# KiCad board Logic_tabor.kicad_pcb (continued)
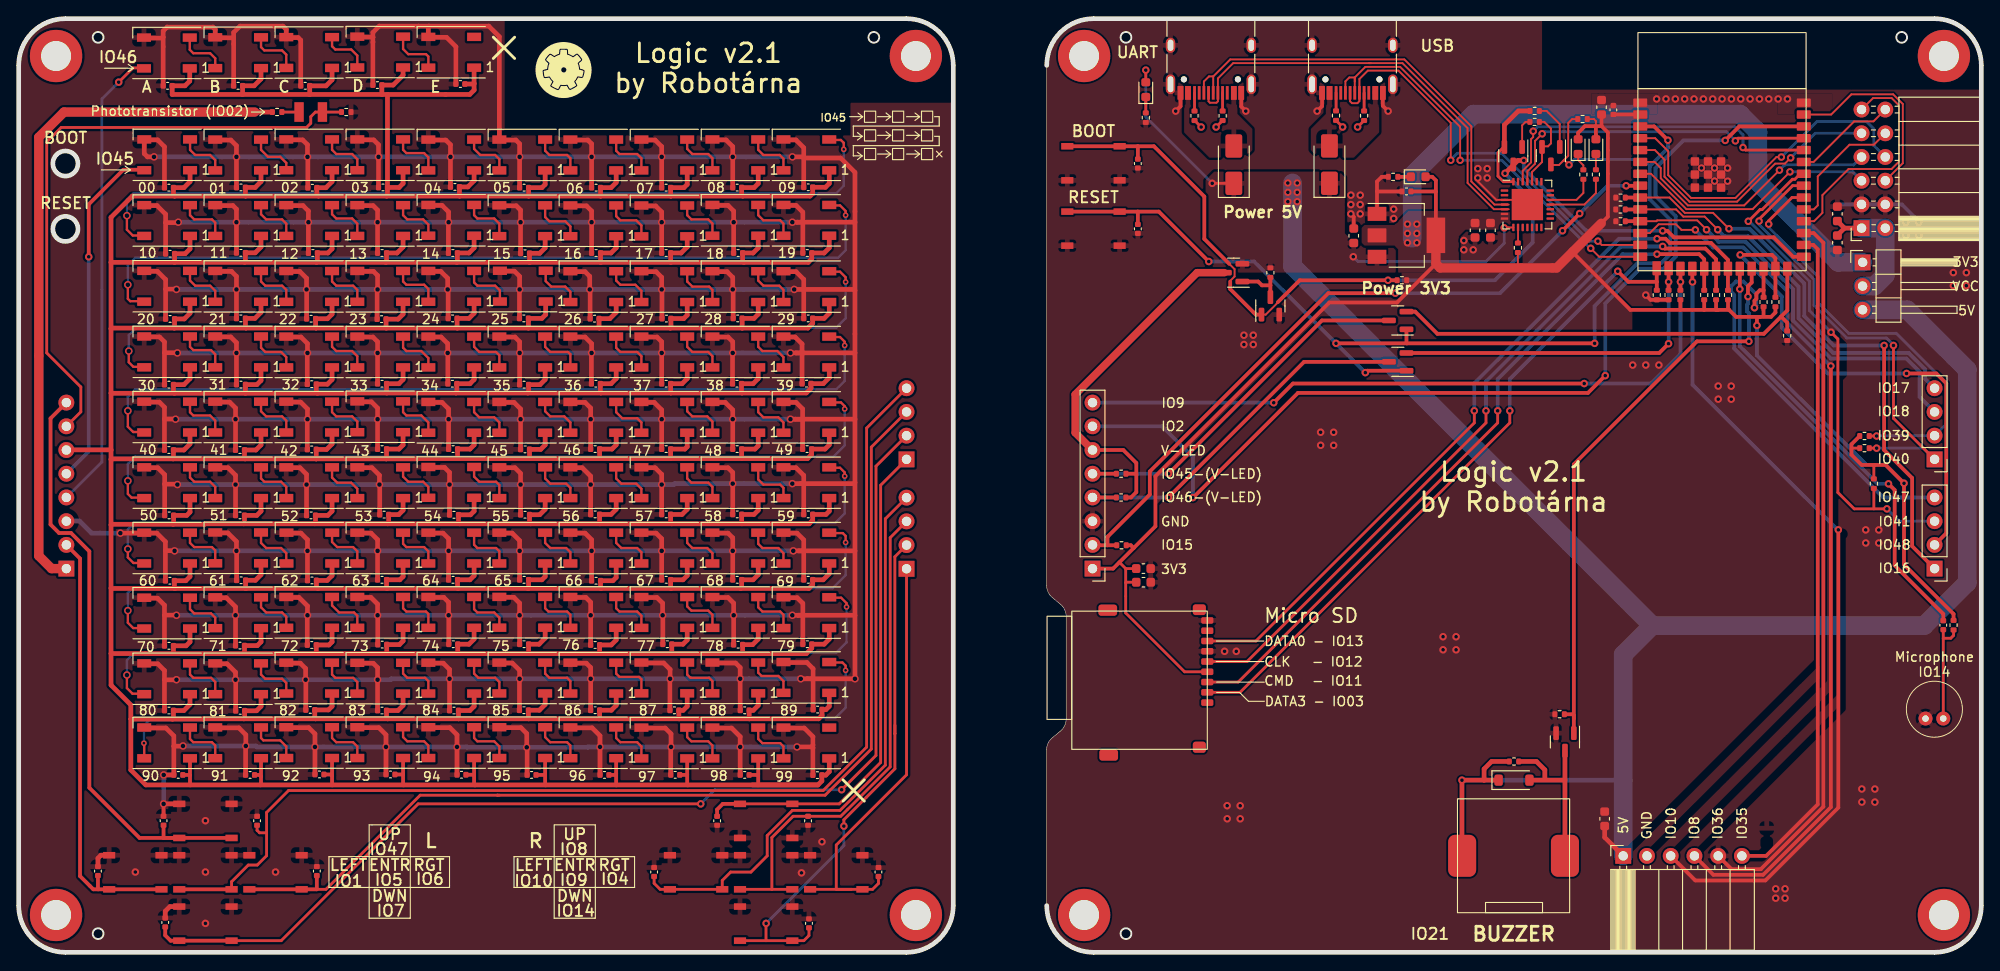
[diagram p0: board, top side]
## Routing (per net, layer and track width the routed paths; a pad name or vN(x,y) marks a point on that pad's centre or on a via; arc(x,y) is an arc through that point) (continued)
/elektronika.sch/DATA_HERNI_LED: length 41
  Top w0.4: v3(123.03,51.26) 139.44,67.67 146.56,67.67 ; R18.2 J7.5
  Bottom w0.4: v3(123.03,51.26) J7.5
/elektronika.sch/DATA_HERNI_LED_LS: length 49
  Top w0.4: R29.1 189.23,67.44 188.58,68.09 ; 188.58,68.09 189.24,68.75 U3.26 ; 188.58,68.09 186.73,66.25 151.81,66.25 149.43,68.62 148.56,68.62
/elektronika.sch/DATA_ZADANI_LED: length 40.2
  Top w0.4: v3(123.03,48.72) 123.03,48.74 137.54,63.25 146.56,63.25 ; J7.4 117.44,48.72 R11.2
  Bottom w0.4: J7.4 v3(123.03,48.72)
/elektronika.sch/DATA_ZADANI_LED_LS: length 37.4
  Top w0.4: U3.16 v3(176.54,71.81) 176.53,71.81 R27.1 ; v3(176.53,65.19) 175.54,64.19 148.56,64.19
  Bottom w0.4: v3(176.53,65.19) 176.54,65.19 v3(176.54,71.81)
/elektronika.sch/EN: length 122.9
  Top w0.2: R31.2 166.22,89.25 165.8,88.83 165.8,85.31 164.81,84.33 163.94,84.33 ; 165.38,84.89 165.38,84.84 v3(165.88,84.34)
  Top w0.4: 148.53,65.22 v3(168.62,65.22) ; 148.53,65.22 v3(140.96,65.22) ; 148.53,65.22 148.49,65.26 Q8.1 ; v3(144.09,62.09) 144.29,62.3 Q7.1 ; v3(176.47,86.98) 174.99,88.47 U3.3 ; 119.73,79.33 RESET1.1 RESET1.1 ; 119.73,79.33 122,79.33 v3(127.34,73.99) ; 119.73,79.33 119.75,79.31 C26.1
  Bottom w0.3: v3(165.88,84.34) 166.47,84.93 173.83,84.93 174.53,84.22
  Bottom w0.4: v3(144.09,62.09) v3(140.96,65.22) 132.19,73.99 v3(127.34,73.99) ; v3(168.62,65.22) 168.62,69.22 173.22,73.81 175.74,73.81 176.71,74.78 176.71,78.47 174.53,80.64 174.53,84.22 176.47,86.16 v3(176.47,86.98)
/elektronika.sch/ESP+programing/D+: length 46
  Top w0.2: v3(168.21,75.4) 169.12,74.5 U3.14 ; J8.B6 141.96,93.29 142.37,93.7 142.96,93.7 142.96,93.29 ; 142.96,93.29 142.96,93.7 144.09,94.84 147.81,94.84 154.23,88.42 v3(154.23,84.84) ; 142.96,93.29 J8.A6
  Bottom w0.3: v3(154.23,84.84) 158.7,84.84 168.13,75.4 v3(168.21,75.4)
/elektronika.sch/ESP+programing/D+_UART: length 46.5
  Top w0.2: 159.43,80.09 157.91,80.09 155.43,82.57 155.43,88.47 148.26,95.63 129.63,95.63 127.81,93.81 ; 127.81,93.81 127.36,93.81 126.81,93.27 J11.B6 ; 127.81,93.81 J11.A6
/elektronika.sch/ESP+programing/D-: length 45.6
  Top w0.2: v3(153.23,84.84) 153.23,88.84 147.63,94.44 144.35,94.44 143.46,93.54 J8.B7 ; 143.46,92.06 143.46,91.16 143.24,90.95 142.66,90.95 142.46,91.16 142.46,92.06 ; v3(168.98,76.17) 169.38,75.77 U3.13
  Bottom w0.3: v3(168.98,76.17) 168.07,76.17 158.66,85.59 153.92,85.59 153.23,84.89 v3(153.23,84.84)
/elektronika.sch/ESP+programing/D-_UART: length 46.4
  Top w0.2: 144.49,95.23 129.95,95.23 128.31,93.6 J11.B7 128.31,91.15 128.16,91 127.46,91 127.31,91.15 J11.A7 ; 144.49,95.23 148.06,95.23 155.03,88.27 155.03,82.4 157.84,79.59 159.43,79.59 ; 144.49,95.23 144.71,95.23
/elektronika.sch/ESP+programing/IO03-PD: length 72.3
  Top w0.3: J2.2 130.69,27.85 159.55,56.71 v3(159.55,58)
  Top w0.4: U3.15 175.27,71.81 ; 175.27,71.81 172.24,71.81 v3(171.1,72.95) ; 175.27,71.81 175.28,71.81 R30.1
  Bottom w0.4: v3(171.1,72.95) 159.55,61.4 v3(159.55,58)
/elektronika.sch/ESP+programing/IO11: length 78.5
  Top w0.3: v3(158.25,58) 158.25,56.71 130.49,28.95 J2.3 127.18,28.95
  Top w0.4: v3(175.29,74.78) 179.81,74.78 180.35,74.23 U3.19 R36.2
  Bottom w0.4: v3(175.29,74.78) 171.63,74.78 158.25,61.4 v3(158.25,58)
/elektronika.sch/ESP+programing/IO12: length 79.3
  Top w0.3: v3(157,58) 157,56.71 131.44,31.15 J2.5
  Top w0.4: R35.2 U3.20 181.62,74.23 180.47,75.38 176.13,75.38 v3(175.91,75.61)
  Bottom w0.4: v3(175.91,75.61) 171.46,75.61 157,61.15 v3(157,58)
/elektronika.sch/ESP+programing/IO13: length 80.2
  Top w0.3: v3(155.75,58) 155.75,56.71 132.39,33.35 J2.7 127.18,33.35
  Top w0.4: R34.2 182.89,70.92 U3.21 182.89,74.17 181.08,75.98 176.66,75.98 176.21,76.43 v3(175.3,76.43)
  Bottom w0.4: v3(175.3,76.43) 171.23,76.43 155.75,60.95 v3(155.75,58)
/elektronika.sch/ESP+programing/IO14: length 47.4
  Top w0.4: v3(200.07,50.18) 200.73,49.52 200.73,41.44 205.93,36.24 C129.1 ; v3(184.16,71.03) U3.22
  Bottom w0.4: v3(200.07,50.18) 198.9,50.18 184.16,64.92 v3(184.16,71.03)
/elektronika.sch/ESP+programing/RX_ESP: length 36.9
  Top w0.2: U2.26 160.93,83.71 161.82,84.6 161.82,87.09 162.05,87.32 v3(162.05,87.95)
  Top w0.3: v3(184.5,86.2) 184.78,85.92 191,85.92
  Bottom w0.3: v3(162.05,87.95) 162.52,88.42 183.64,88.42 184.5,87.56 v3(184.5,86.2)
/elektronika.sch/ESP+programing/TX_ESP: length 34.4
  Top w0.2: v3(163.01,87.67) 162.25,86.91 162.25,84.47 161.43,83.65 U2.25
  Top w0.3: v3(183.69,86.91) 183.97,87.19 U3.37
  Bottom w0.3: v3(163.01,87.67) 163.23,87.89 182.73,87.89 183.69,86.93 v3(183.69,86.91)
/elektronika.sch/IO1: length 20.9
  Top w0.2: J1.6 201.6,84.52 201.6,90.87 200.57,91.9 196.1,91.9 193.94,89.73 U3.39
/elektronika.sch/IO4: length 36.4
  Top w0.2: U3.4 175.1,87.19 176.5,85.8 176.5,83.24 178.94,80.8 183.7,80.8 188.07,85.17 v3(188.6,85.17)
  Bottom w0.3: J1.8 198.5,86.41 198.5,88.2 197.7,89 192.43,89 v3(188.6,85.17)
/elektronika.sch/IO5: length 30.1
  Top w0.2: 173.5,85.92 175.07,85.92 176.1,84.9 176.1,83.07 178.77,80.4 183.87,80.4 187.94,84.47 188.98,84.47 v3(189.6,85.09)
  Bottom w0.3: J1.9 192.23,87.72 v3(189.6,85.09)
/elektronika.sch/IO6: length 28.4
  Top w0.2: U3.6 175.04,84.66 175.7,84 175.7,82.91 178.61,80 184.62,80 v3(188.4,83.78)
  Bottom w0.3: v3(188.4,83.78) 188.97,84.34 196.34,84.34 J1.7
/elektronika.sch/IO7: length 27.3
  Top w0.2: v3(189.52,83.59) 185.53,79.6 178.44,79.6 174.66,83.38 173.5,83.38
  Bottom w0.3: v3(189.52,83.59) 196.24,83.59 J1.5
/elektronika.sch/IO8: length 94.7
  Top w0.2: U3.12 174.53,77.03 175.47,77.98 177.32,77.98 177.92,77.38 v3(179.4,77.38)
  Top w0.4: J3.4 181.34,8.3 186.65,8.3 193.9,15.55 v3(193.9,62.8)
  Bottom w0.4: v3(193.9,62.8) 193.86,62.8 189.25,67.41 189.25,70.78 184.53,75.5 181.28,75.5 v3(179.4,77.38)
/elektronika.sch/IO10: length 86.5
  Top w0.4: 176.76,10.33 179.4,7.7 186.9,7.7 194.7,15.5 v3(194.7,45.25) ; U3.18 179.08,71.82 v3(179.1,71.8)
  Bottom w0.4: v3(179.1,71.8) 179.1,60.8 194.65,45.25 v3(194.7,45.25)
/elektronika.sch/IO35: length 71.5
  Top w0.4: J3.6 186.98,10.33 192.5,15.85 192.5,75.3 192.03,75.77 U3.28
/elektronika.sch/IO36: length 77.5
  Top w0.4: J3.5 183.28,8.9 186.4,8.9 193.1,15.6 193.1,76 192.06,77.03 U3.29
/elektronika.sch/IO37: length 24.8
  Top w0.2: U3.30 192.1,78.31 193,79.2 193,81.1 195.8,83.9 200.4,83.9 201.2,84.7 201.2,90.7 200.4,91.5 198.42,91.5 J1.11
/elektronika.sch/IO38: length 13.9
  Top w0.2: U3.31 192.07,79.58 192.5,80 192.5,83.1 195.9,86.5 198.5,86.5 J1.10
/elektronika.sch/IO42: length 11
  Top w0.2: U3.35 192.06,84.66 196.4,89 198.46,89 J1.12
/elektronika.sch/PIEZO: length 62.4
  Top w0.4: 166.4,25.04 166.4,52.27 179.57,65.44 v3(185.13,65.44) ; 166.4,25.04 166.4,23.54 ; 166.4,25.04 166.4,25.4 166.3,25.5 R19.2 ; U3.23 185.43,71.74 185.03,71.34 185.03,70.24 v3(185.04,70.23)
  Bottom w0.4: v3(185.13,65.44) 185.13,68.44 184.93,68.64 184.93,69.37 185.04,69.48 v3(185.04,70.23)
/elektronika.sch/PMOD-POWER: length 14.5
  Top w0.5: C5.1 194.6,76.81 195.36,77.56 ; 195.36,77.56 J1.1 ; 195.36,77.56 C1.1
  Bottom w2: J1.1 J1.2 199.72,72.53 198.56,71.36 J13.2
/elektronika.sch/SENZOR_SVETLA: length 111.4
  Top w0.4: v3(169.76,61.77) 167.91,59.92 136.88,59.92 125.67,48.7 v3(125.64,48.7) ; v3(182.6,86.96) 184.1,88.47 U3.38
  Bottom w0.4: v3(169.76,61.77) 169.76,69.51 173.47,73.22 175.99,73.22 177.31,74.53 177.31,78.84 175.13,81.01 175.13,83.97 178.12,86.96 v3(182.6,86.96) ; J7.7 122.34,56.34 125.64,53.04 v3(125.64,48.7)
/elektronika.sch/SW_2: length 43.6
  Top w0.2: v3(181.8,77.4) 180.4,78.8 178.11,78.8 177.34,79.58 U3.10
  Top w0.4: U3.10 173.5,79.56 R6.2
  Bottom w0.4: v3(181.8,77.4) 182.5,76.7 185.03,76.7 190.45,71.28 190.45,67.91 194.16,64.2 202.22,64.2 204,62.42 204,61.42 J10.4
/elektronika.sch/SW_3: length 45.2
  Top w0.2: U3.11 175.23,78.31 175.33,78.4 179.6,78.4 v3(180.6,77.4)
  Top w0.4: U3.11 171.91,78.31 R7.2
  Bottom w0.4: v3(180.6,77.4) 181.9,76.1 184.78,76.1 189.85,71.03 189.85,67.66 193.91,63.6 201.97,63.6 203.4,62.17 203.4,59.48 J10.3
/elektronika.sch/SW_4: length 45.4
  Top w0.4: v3(185.73,69.04) 185.73,69.8 185.93,70 185.93,70.54 186.3,70.91 186.7,70.91 ; 186.7,70.91 R32.2 ; 186.7,70.91 U3.24
  Bottom w0.4: v3(185.73,69.04) 185.93,69.24 185.93,70.47 184.56,71.84 183.73,71.84 183.23,71.34 183.23,70.74 183.56,70.41 183.56,64.67 199.51,48.72 J9.4
/elektronika.sch/SW_5: length 62.4
  Top w0.2: U3.9 176.63,80.84 178.28,79.2 181.3,79.2 v3(183,77.5)
  Top w0.4: U3.9 171.92,80.84 R4.2 ; J9.1 202.6,43.5 202.6,50.8 199.6,53.8 v3(199.6,65)
  Bottom w0.4: v3(183,77.5) 185.2,77.5 191.05,71.65 191.05,68.16 194.21,65 v3(199.6,65)
/elektronika.sch/SW_7: length 78.3
  Top w0.4: v3(172,82.1) 173.49,82.1 U3.8 ; v3(147.3,70.6) 140.13,70.6 121.03,51.5 121.03,49.03 116.5,44.5 116.5,43.6 ; v3(165.19,77.29) v3(167.03,79.13) ; R1.2 116.5,43.6 ; 116.5,43.6 114.94,43.6 J7.2 115.64,43.64
  Bottom w0.4: v3(167.03,79.13) 170,82.1 v3(172,82.1) ; v3(147.3,70.6) 158.5,70.6 v3(165.19,77.29)
/elektronika.sch/SW_8: length 46.1
  Top w0.3: R8.2 v3(198.8,55.3) ; v3(187.25,78) 187.25,78.35 189.75,80.84 U3.32
  Bottom w0.3: v3(198.8,55.3) 198.84,55.34 J10.2 206.2,56.54 206.2,61 200.9,66.3 195.81,66.3 192.6,69.51 192.6,72.29 187.25,77.64 v3(187.25,78)
/elektronika.sch/SW_9: length 55.6
  Top w0.4: v3(184.2,74.7) 187.6,74.7 187.97,74.33 U3.25 R14.2 ; J9.2 206.25,44.89 206.25,60.94 205.19,62 v3(202,62)
  Bottom w0.4: v3(202,62) 193.57,62 188.65,66.92 188.65,70.25 v3(184.2,74.7)
/elektronika.sch/SW_10: length 54.9
  Top w0.3: 191,83.38 190.64,83.38 190.05,82.8 189.79,82.8 186.55,79.55 186.32,79.55 v3(185.07,78.3) ; v3(193.92,66.42) 194.65,65.69 194.65,49.25 196.4,47.5 v3(199.9,47.5) ; R12.2 198.5,47.5
  Bottom w0.3: J9.3 201.22,46.18 v3(199.9,47.5) ; v3(185.07,78.3) 185.18,78.3 191.6,71.88 191.6,68.74 v3(193.92,66.42)
/elektronika.sch/SW_11: length 49.8
  Top w0.3: v3(200.6,65) 200.6,57.2 J10.1 ; U3.33 189.81,82.12 186.22,78.52 v3(186.22,78.32) ; R9.2 v3(198.8,54)
  Bottom w0.3: J10.1 203.8,54 v3(198.8,54) ; v3(200.6,65) 200.6,65.06 199.86,65.8 195.6,65.8 192.1,69.3 192.1,72.08 186.22,77.97 v3(186.22,78.32)
/elektronika.sch/SW_12: length 75.1
  Top w0.4: v3(167.51,60.92) 136.34,60.92 v3(134.29,58.86) ; 177.81,70.92 177.81,71.81 v3(177.81,71.81) U3.17
  Bottom w0.4: v3(177.81,71.81) 177.81,64.08 174.65,60.92 v3(167.51,60.92) ; J7.8 134.28,58.88 v3(134.29,58.86)
/elektronika.sch/V_LED: length 38.9
  Top w0.4: 119.59,51.21 119.59,49.29 119.01,48.72 R11.1 ; 119.59,51.21 119.59,52.41 118.19,53.8 J7.6 ; 119.59,51.21 119.53,51.26 R18.1
  Top w0.8: J7.6 113.04,55.66 113.04,59.75 126.09,72.8 129,72.8
/elektronika.sch/ZAPINANI_1_CAST_LED: length 113.4
  Top w0.2: 129.63,71.84 129.63,71.92 130.1,72.39 130.1,73.17 129.53,73.74 ; 134.73,69.64 134.73,69.6 133.43,68.3 Q4.1
  Top w0.4: C29.1 119.75,86.33 119.74,86.34 ; 134.73,69.64 137.07,71.98 v3(146.51,71.98) R28.2 ; 119.74,86.34 BOOT1.1 BOOT1.1 ; 119.74,86.34 121.47,86.34 126.86,80.94 126.86,76.41 129.53,73.74 ; 129.63,71.84 129.63,71.04 132.37,68.3 Q4.1 ; v3(175.91,77.28) 176.41,77.28 177.1,76.58 187.79,76.58 189.88,74.5 U3.27
  Top w0.5: v3(159.04,83.44) 160.42,84.82 v3(161.04,84.82)
  Bottom w0.4: v3(146.51,71.98) 157.96,71.98 162,76.03 162,80.48 v3(159.04,83.44) ; v3(161.04,84.82) 161.04,83.98 167.74,77.28 v3(175.91,77.28)
/ovladaci_prvky.sch/DATA_HERNI_LED: length 37.3
  Top w0.4: v3(7.49,74.5) 7.49,80.11 11.2,83.82 13.44,83.82
  Bottom w0.4: J4.5 7.49,53.66 v3(7.49,74.5)
/ovladaci_prvky.sch/DATA_ZADANI_LED: length 50.1
  Top w0.3: v3(10.7,93.2) 12.22,94.72 13.4,94.72
  Bottom w0.3: v3(10.7,93.2) 8.9,91.4 8.9,52.52 J4.4
/ovladaci_prvky.sch/herni_pole_LED.sch/1.sch/DATA_OUT: length 5.3
  Top w0.25: 51.43,83.8 51.43,84.95 50.98,85.4 49.38,85.4 48.73,86.05 48.73,87
/ovladaci_prvky.sch/herni_pole_LED.sch/2.sch/DATA_OUT: length 88.9
  Top w0.25: 86.73,87.01 87.97,87.01 88.28,86.7 v2(88.28,86) ; v1(11.58,78.9) 11.58,77.4 12.2,76.78 13.43,76.78
  Bottom w0.25: v1(11.58,78.9) 11.58,80.6 12.28,81.3 87.48,81.3 88.28,82.1 v2(88.28,86)
/ovladaci_prvky.sch/herni_pole_LED.sch/3.sch/DATA_OUT: length 5.4
  Top w0.25: 48.73,80 48.73,78.95 49.08,78.6 50.88,78.6 51.43,78.05 51.43,76.76
/ovladaci_prvky.sch/herni_pole_LED.sch/4.sch/DATA_OUT: length 89.1
  Top w0.25: 13.43,69.74 11.94,69.74 11.68,70 v1(11.68,71.5) ; 86.73,80 87.88,80 88.48,79.4 v2(88.48,78.95)
  Bottom w0.25: v1(11.68,71.5) 11.68,73.6 12.48,74.4 87.68,74.4 88.48,75.2 v2(88.48,78.95)
/ovladaci_prvky.sch/herni_pole_LED.sch/5.sch/DATA_OUT: length 5.4
  Top w0.25: 48.73,72.93 48.73,71.75 49.08,71.4 50.98,71.4 51.49,70.89 51.49,69.75
/ovladaci_prvky.sch/herni_pole_LED.sch/6.sch/DATA_OUT: length 88.6
  Top w0.25: 13.43,62.71 12.27,62.71 11.78,63.2 v1(11.78,64.4) ; 86.73,72.9 87.88,72.9 88.48,72.3 v2(88.48,71.8)
  Bottom w0.25: v2(88.48,71.8) 88.48,67.9 87.48,66.9 12.58,66.9 11.78,66.1 v1(11.78,64.4)
/ovladaci_prvky.sch/herni_pole_LED.sch/7.sch/DATA_OUT: length 5.4
  Top w0.25: 48.73,65.9 48.73,64.85 49.28,64.3 51.08,64.3 51.43,63.95 51.43,62.7
/ovladaci_prvky.sch/herni_pole_LED.sch/8.sch/DATA_OUT: length 88.6
  Top w0.25: v2(88.38,65) 88.38,65.4 87.88,65.9 86.73,65.9 ; 13.43,55.73 12.25,55.73 11.68,56.3 v1(11.68,58)
  Bottom w0.25: v2(88.38,65) 88.38,61.2 87.48,60.3 12.48,60.3 11.68,59.5 v1(11.68,58)
/ovladaci_prvky.sch/herni_pole_LED.sch/10.sch/DATA_IN: length 5.3
  Top w0.25: 51.43,55.7 51.43,56.75 50.88,57.3 49.28,57.3 48.73,57.85 48.73,58.9
/ovladaci_prvky.sch/herni_pole_LED.sch/10.sch/DATA_OUT: length 88.7
  Top w0.25: 86.73,58.9 87.98,58.9 88.38,58.5 v2(88.38,58.2) ; 13.43,48.7 12.08,48.7 11.68,49.1 v1(11.68,50.5)
  Bottom w0.25: v1(11.68,50.5) 11.68,52.3 12.48,53.1 87.18,53.1 88.38,54.3 v2(88.38,58.2)
/ovladaci_prvky.sch/herni_pole_LED.sch/11.sch/DATA_OUT: length 5.4
  Top w0.25: 51.43,48.7 51.43,50.05 51.08,50.4 49.28,50.4 48.73,50.95 48.73,51.93
/ovladaci_prvky.sch/herni_pole_LED.sch/12.sch/DATA_OUT: length 88.7
  Top w0.25: 86.73,51.9 87.88,51.9 88.38,51.4 v2(88.38,51) ; 13.43,41.7 12.28,41.7 11.68,42.3 v1(11.68,43.2)
  Bottom w0.25: v1(11.68,43.2) 11.68,45.3 12.38,46 87.38,46 88.38,47 v2(88.38,51)
/ovladaci_prvky.sch/herni_pole_LED.sch/13.sch/DATA_OUT: length 5.5
  Top w0.25: 51.43,41.7 51.43,42.95 51.08,43.3 49.08,43.3 48.73,43.65 48.73,44.9
/ovladaci_prvky.sch/herni_pole_LED.sch/14.sch/DATA_OUT: length 88.8
  Top w0.25: 86.73,44.9 88.18,44.9 88.48,44.6 v2(88.48,43.9) ; 13.43,34.73 12.25,34.73 11.68,35.3 v1(11.68,36.6)
  Bottom w0.25: v2(88.48,43.9) 88.48,40.4 87.08,39 12.18,39 11.68,38.5 v1(11.68,36.6)
/ovladaci_prvky.sch/herni_pole_LED.sch/15.sch/DATA_OUT: length 5.4
  Top w0.25: 48.73,38.01 48.73,36.75 49.08,36.4 50.88,36.4 51.43,35.85 51.43,34.82
/ovladaci_prvky.sch/herni_pole_LED.sch/16.sch/DATA_OUT: length 89.2
  Top w0.25: v2(88.58,37) 88.58,37.4 88,37.98 86.73,37.98 ; 13.43,27.7 12.18,27.7 11.58,28.3 v1(11.58,29.7)
  Bottom w0.25: v2(88.58,37) 88.58,33.2 87.48,32.1 12.38,32.1 11.58,31.3 v1(11.58,29.7)
/ovladaci_prvky.sch/herni_pole_LED.sch/17.sch/DATA_OUT: length 5.4
  Top w0.25: 48.73,30.97 48.73,29.85 49.18,29.4 50.98,29.4 51.43,28.95 51.43,27.78
/ovladaci_prvky.sch/herni_pole_LED.sch/18.sch/DATA_OUT: length 85.7
  Top w0.25: v2(88.48,30.2) 88.48,30.7 88.14,31.04 86.73,31.04 ; v2(13.4,22.4) 13.43,22.37 13.43,20.83
  Bottom w0.25: v2(13.4,22.4) 13.4,24.3 14.2,25.1 87.38,25.1 88.48,26.2 v2(88.48,30.2)
/ovladaci_prvky.sch/herni_pole_LED.sch/19.sch/DATA_OUT: length 5.4
  Top w0.25: 48.73,24.06 48.73,22.95 49.08,22.6 50.88,22.6 51.43,22.05 51.43,20.86
/ovladaci_prvky.sch/SENZOR_SVETLA: length 65.9
  Top w0.3: R13.1 Q3.2 31.75,90 31.25,89.5 31.25,88.8 30.8,88.35 4.55,88.35 3,86.8 3,64.2 6.65,60.55 6.65,57.89 J4.7
/ovladaci_prvky.sch/SW_2: length 124.9
  Top w0.3: 26.52,12.81 26.52,12.81 25.77,12.81 25.51,13.07 C11.2 ; 26.52,12.81 26.52,14.98 28.88,17.33 86.08,17.33 90.73,21.98 90.73,56.15 J6.4 ; 26.52,12.81 26.52,10.35 25.52,9.35 24.56,9.35 22.78,7.56 SW2.1
  Top w0.4: SW2.1 SW2.1
/ovladaci_prvky.sch/SW_3: length 112.1
  Top w0.3: 31.9,6.75 32.88,6.75 42.96,16.83 51.22,16.83 ; 51.22,16.83 86.29,16.83 91.23,21.77 91.23,54.11 J6.3 ; 51.22,16.83 51.42,16.83
  Top w0.4: SW3.1 SW3.1 31.9,6.75 C12.2
/ovladaci_prvky.sch/SW_4: length 62.7
  Top w0.3: J5.4 92.73,46.43 92.73,20.05 87.88,15.2 82.78,15.2 80.09,12.51 80.09,10.34 78.35,8.59 76.18,8.59 75.28,7.7 SW4.1 SW4.1 68.64,6.75 67.99,7.4 C13.2
/ovladaci_prvky.sch/SW_5: length 47.4
  Top w0.3: C14.2 92,7.38 91.36,6.75 SW5.1 89.08,6.75 ; 89.08,6.75 87.48,6.75 87.48,11.5 95,19.02 J5.1 ; 89.08,6.75 SW5.1
/ovladaci_prvky.sch/SW_7: length 46.9
  Top w0.4: C126.2 8.48,6.78 8.51,6.75 ; 8.51,6.75 SW7.1 SW7.1 ; 8.51,6.75 7.98,6.75 6.56,8.16 6.56,42.17 J4.2
/ovladaci_prvky.sch/SW_8: length 121
  Top w0.3: J6.2 91.73,52.07 91.73,21.09 v3(88.06,17.42) ; v3(72.98,15.9) 42.74,15.9 28.09,1.25 SW8.1
  Top w0.4: SW8.1 SW8.1 16.25,1.25 15.68,1.82 C17.2
  Bottom w0.3: v3(88.06,17.42) 74.5,17.42 v3(72.98,15.9)
/ovladaci_prvky.sch/SW_9: length 57.9
  Top w0.3: 79.97,1.25 79.97,3.09 v3(79.97,3.1) ; 79.97,1.25 SW9.1 84.01,1.25 84.56,1.8 C18.2 ; 79.97,1.25 SW9.1 ; 93.75,23.42 93.75,19.66 88.3,14.2 v3(88.3,13.52) ; 93.75,23.42 93.75,24.33 ; 93.75,23.42 93.75,23.42 93.75,42.37 J5.2
  Bottom w0.3: v3(79.97,3.1) 88.3,11.42 v3(88.3,13.52)
/ovladaci_prvky.sch/SW_10: length 54
  Top w0.3: 80.59,6.75 SW10.1 ; 80.59,6.75 80.59,12.3 82.86,14.57 C19.2 87.96,14.57 93.25,19.86 93.25,44.41 J5.3 ; 80.59,6.75 SW10.1
/ovladaci_prvky.sch/SW_11: length 53.9
  Top w0.3: SW11.1 SW11.1 87.8,15.9 92.23,20.33 92.23,50.03 J6.1
  Top w0.4: SW11.1 75.34,15.9 74.73,15.29 C20.2
/ovladaci_prvky.sch/SW_12: length 64.9
  Top w0.4: SW12.1 15.5,12.25 C30.2 ; SW12.1 12.94,12.25 7.56,17.62 7.56,42.95 5.6,44.91 4.32,44.91 3.41,45.83 3.41,57.19 J4.8 ; SW12.1 SW12.1
/ovladaci_prvky.sch/V_LED_1: length 1303.4
  Top w0.4: 25.87,17.93 25.93,18 25.93,18.83 ; C119.1 48.69,19.02 48.73,18.97 ; C121.1 63.8,19 63.93,19.14 ; 71.58,17.93 71.53,17.97 71.53,19.03 ; 18.34,17.93 18.33,17.94 18.33,18.97 ; 56.33,20.86 56.33,19.03 ; 56.33,19.03 56.33,17.97 56.38,17.93 ; 56.33,19.03 56.3,19 C120.1 ; 48.73,18.97 48.73,18.02 48.81,17.93 ; 48.73,18.97 48.73,20.86 ; 18.33,18.97 18.3,19 C115.1 ; 18.33,18.97 18.33,20.83 ; 79.13,19.1 79.13,17.94 79.14,17.93 ; 79.13,19.1 79.13,20.82 ; 79.13,19.1 79.03,19 C123.1 ; 25.93,18.83 25.77,19 C116.1 ; 25.93,18.83 25.93,20.84 ; 63.93,19.14 63.93,17.94 63.94,17.93 ; 63.93,19.14 63.93,20.84 ; 33.53,17.93 33.53,17.94 33.53,18.92 ; 71.53,20.82 71.53,19.03 ; 71.53,19.03 71.5,19.01 C122.1 ; C118.1 41.08,19.05 41.13,19.09 ; 33.53,18.92 33.4,19.05 C117.1 ; 33.53,18.92 33.53,20.86 ; 41.13,19.09 41.13,17.97 41.17,17.93 ; 41.13,19.09 41.13,20.86
  Top w0.5: 24.07,31.99 24.16,32.08 C96.1 25.53,32.85 25.93,33.25 25.93,34.77 ; 24.07,31.99 16.47,31.99 ; 24.07,31.99 31.89,31.99 ; 31.89,31.99 31.84,32.04 C97.1 33.2,32.92 33.53,33.25 33.53,34.81 ; 31.89,31.99 39.39,31.99 ; 31.83,52.85 39.33,52.85 ; 31.83,52.85 24.23,52.85 ; 31.83,52.85 31.84,52.86 C67.1 32.94,53.86 33.53,54.45 33.53,55.73 ; 39.33,52.85 42.69,52.85 42.72,52.88 84.4,52.88 84.84,53.32 C74.1 86.28,53.9 86.73,54.35 86.73,55.7 ; 39.33,52.85 39.36,52.88 C68.1 40.68,53.9 41.13,54.35 41.13,55.76 ; 77.58,73.9 84.48,73.9 84.86,74.28 C44.1 86.18,74.9 86.73,75.45 86.73,76.8 ; 77.58,73.9 69.78,73.9 ; 77.58,73.9 77.46,74.02 C43.1 78.58,74.9 79.13,75.45 79.13,76.8 ; 23.93,91.88 16.42,91.88 C7.1 17.79,92.81 18.3,93.32 18.3,94.72 ; 23.93,91.88 23.96,91.91 C8.1 25.19,92.81 25.93,93.55 25.93,94.75 ; 23.93,91.88 31.13,91.88 ; 33.53,48.7 33.53,47.25 33.08,46.8 C77.1 31.76,45.98 31.68,45.9 ; 9.88,45.8 9.88,52.8 ; 9.88,45.8 9.88,39 ; 9.88,45.8 9.93,45.85 16.53,45.85 ; 9.88,52.8 9.88,53.8 ; 9.88,52.8 9.93,52.85 16.53,52.85 ; 16.53,52.85 24.23,52.85 ; 16.53,52.85 16.56,52.88 C65.1 17.68,53.8 18.33,54.45 18.33,55.73 ; 24.23,52.85 24.16,52.92 C66.1 25.38,53.8 25.93,54.35 25.93,55.73 ; 56.33,83.8 56.33,82.25 55.98,81.9 C3.1 54.56,81.02 54.58,81 ; 32.08,81 31.9,81.18 C33.1 32.87,81.89 33.53,82.55 33.53,83.82 ; 32.08,81 39.38,81 ; 32.08,81 24.28,81 ; 46.87,31.99 46.98,32.1 C99.1 48.18,33 48.73,33.55 48.73,34.81 ; 46.87,31.99 54.59,31.99 ; 46.87,31.99 39.39,31.99 ; 41.13,94.82 41.13,93.95 40.07,92.89 C10.1 38.86,91.9 38.88,91.88 ; 63.93,48.7 63.93,47.45 63.38,46.9 C81.1 62.16,45.92 62.18,45.9 ; 24.18,73.9 24.26,73.98 C36.1 25.3,74.92 25.93,75.55 25.93,76.78 ; 24.18,73.9 31.88,73.9 ; 24.18,73.9 16.68,73.9 ; 16.46,24.98 12.02,24.98 12,25 ; 16.46,24.98 19.75,24.98 19.78,25.01 24.09,25.01 ; 16.46,24.98 16.56,25.08 C105.1 17.68,25.9 18.33,26.55 18.33,27.7 ; 85.52,17.93 78.51,17.93 ; 85.52,17.93 85.94,18.35 C124.1 86.36,18.98 86.73,19.35 86.73,20.82 ; 85.52,17.93 13.6,17.93 12,19.53 12,25 ; 9.88,39 9.88,32 ; 9.88,39 9.91,38.97 16.71,38.97 ; 63.93,62.7 63.93,61.45 63.38,60.9 C61.1 62.24,59.96 62.29,59.91 ; 39.38,81 47.18,81 ; 39.38,81 39.46,81.08 C34.1 ; 62.18,45.9 69.88,45.9 ; 62.18,45.9 54.78,45.9 ; 69.88,45.9 69.76,46.02 C82.1 70.98,46.9 71.53,47.45 71.53,48.7 ; 69.88,45.9 77.38,45.9 ; 33.53,94.77 33.53,93.45 32.88,92.8 31.15,92.8 C9.1 31.14,91.89 31.13,91.88 ; C34.1 40.7,81.92 41.13,82.35 41.13,83.82 ; C34.1 39.46,91.86 39.48,91.88 ; 25.93,48.7 25.93,47.25 25.48,46.8 C76.1 24.16,45.98 24.08,45.9 ; 24.32,66.86 24.26,66.92 C46.1 25.28,67.9 25.93,68.55 25.93,69.73 ; 24.32,66.86 16.64,66.86 ; 24.32,66.86 31.82,66.86 ; 39.49,25.01 47.07,25.01 ; 39.49,25.01 39.36,25.14 C108.1 40.58,25.9 41.13,26.45 41.13,27.76 ; 39.49,25.01 31.77,25.01 ; 47.07,25.01 47.06,25.02 C109.1 48.28,25.9 48.73,26.35 48.73,27.77 ; 47.07,25.01 54.57,25.01 ; 56.33,27.78 56.33,26.55 55.71,25.93 C110.1 54.54,25.04 54.57,25.01 ; 18.33,76.78 18.33,75.35 17.8,74.82 C35.1 16.68,73.9 ; 39.39,59.91 35.12,59.91 35.09,59.88 31.96,59.88 ; 39.39,59.91 46.79,59.91 ; 39.39,59.91 39.36,59.94 C58.1 40.68,60.9 41.13,61.35 41.13,62.7 ; 69.72,66.86 69.79,66.93 C52.1 71.16,67.88 71.53,68.25 71.53,69.7 ; 69.72,66.86 77.42,66.86 ; 69.72,66.86 62.14,66.86 ; 69.79,59.91 77.39,59.91 ; 69.79,59.91 62.29,59.91 ; 69.79,59.91 69.76,59.94 C62.1 70.98,60.9 71.53,61.45 71.53,62.7 ; 77.39,59.91 84.27,59.91 84.78,60.42 C64.1 86.09,60.91 86.73,61.55 86.73,62.7 ; 77.39,59.91 77.34,59.96 C63.1 78.58,60.9 79.13,61.45 79.13,62.7 ; 33.53,27.77 33.53,26.35 33.14,25.96 C107.1 31.68,25.1 31.77,25.01 ; 16.53,45.85 19.9,45.85 19.95,45.9 24.08,45.9 ; 16.53,45.85 16.58,45.9 C75.1 17.98,46.8 18.33,47.15 18.33,48.7 ; 46.79,59.91 46.88,60 C59.1 48.28,60.9 48.73,61.35 48.73,62.7 ; 46.79,59.91 54.47,59.91 ; 63.93,34.81 63.93,33.45 63.4,32.92 C101.1 62.16,32.08 62.07,31.99 ; 9.88,59.9 9.9,59.88 16.66,59.88 ; 9.88,59.9 9.88,66.8 ; 9.88,59.9 9.88,53.8 ; 24.08,45.9 31.68,45.9 ; 79.13,55.7 79.13,54.25 78.78,53.9 C73.1 77.36,52.92 77.38,52.9 ; 24.26,59.88 C56.1 25.49,60.81 25.93,61.25 25.93,62.71 ; 24.26,59.88 31.96,59.88 ; 24.26,59.88 16.66,59.88 ; 31.88,73.9 39.28,73.9 ; 31.88,73.9 31.96,73.98 C37.1 33.08,74.9 33.53,75.35 33.53,76.78 ; 39.28,73.9 46.88,73.9 ; 39.28,73.9 39.36,73.98 C38.1 40.48,74.9 41.13,75.55 41.13,76.78 ; 62.09,25.01 62.16,25.08 C111.1 63.41,25.93 63.93,26.45 63.93,27.77 ; 62.09,25.01 54.57,25.01 ; 62.09,25.01 70.67,25.01 ; 56.33,55.7 56.33,54.35 55.85,53.87 C70.1 54.66,52.92 ; 18.34,83.82 18.34,82.56 17.68,81.9 C31.1 16.56,81.12 16.68,81 ; 46.88,73.9 54.68,73.9 ; 46.88,73.9 46.94,73.96 C39.1 48.18,74.9 48.73,75.45 48.73,76.8 ; 62.28,81 62.26,81.02 C6.1 63.38,81.9 63.93,82.45 63.93,83.8 ; 62.28,81 69.78,81 ; 62.28,81 54.58,81 ; 38.88,91.88 39.48,91.88 ; 38.88,91.88 31.13,91.88 ; 77.37,31.99 77.46,32.08 C103.1 78.53,32.95 79.13,33.55 79.13,34.8 ; 77.37,31.99 84.27,31.99 84.86,32.58 C104.1 86.18,33 86.73,33.55 86.73,34.78 ; 77.37,31.99 69.87,31.99 ; 16.47,31.99 13.57,31.99 13.56,32 9.88,32 ; 16.47,31.99 16.56,32.08 C95.1 17.91,32.83 18.33,33.25 18.33,34.73 ; 77.48,81 84.68,81 84.96,81.28 C21.1 86.32,81.94 86.73,82.35 86.73,83.81 ; 77.48,81 69.78,81 ; 77.48,81 77.36,81.12 C16.1 78.69,81.91 79.13,82.35 79.13,83.81 ; 33.53,41.7 33.53,40.35 33.01,39.83 C87.1 31.86,39.12 32.01,38.97 ; 39.48,91.88 45.68,91.88 45.69,91.88 48.27,91.88 48.73,92.35 48.73,93.05 ; 56.33,48.7 56.33,47.45 55.75,46.87 C80.1 54.66,46.02 54.78,45.9 ; 46.94,66.86 54.54,66.86 ; 46.94,66.86 39.34,66.86 ; 46.94,66.86 46.91,66.89 C49.1 48.18,67.9 48.73,68.45 48.73,69.73 ; 54.54,66.86 62.14,66.86 ; 54.54,66.86 C50.1 55.98,67.9 56.39,68.31 56.39,69.75 ; 63.93,76.75 63.93,75.45 63.38,74.9 C41.1 62.26,73.92 62.28,73.9 ; 69.87,31.99 69.88,32 C102.1 71.08,33 71.53,33.45 71.53,34.8 ; 69.87,31.99 62.07,31.99 ; 24.31,38.97 24.28,39 C86.1 25.33,39.85 25.93,40.45 25.93,41.72 ; 24.31,38.97 16.71,38.97 ; 24.31,38.97 32.01,38.97 ; 77.25,38.97 77.36,39.08 C93.1 78.58,39.9 79.13,40.45 79.13,41.7 ; 77.25,38.97 84.55,38.97 84.96,39.38 C94.1 86.08,39.9 86.73,40.55 86.73,41.7 ; 77.25,38.97 69.81,38.97 ; 18.33,69.74 18.33,68.45 17.72,67.84 C45.1 16.68,66.9 16.64,66.86 ; 62.31,38.97 69.81,38.97 ; 62.31,38.97 54.51,38.97 ; 62.31,38.97 62.26,39.02 C91.1 63.58,39.8 63.93,40.15 63.93,41.7 ; 69.81,38.97 69.76,39.02 C92.1 71.08,39.9 71.53,40.35 71.53,41.7 ; 16.68,73.9 9.88,73.9 ; 9.88,73.9 9.88,78.72 12.16,81 16.68,81 ; 9.88,73.9 9.88,66.8 ; 16.64,66.86 9.94,66.86 9.88,66.8 ; 54.47,59.91 54.56,60 C60.1 55.78,60.8 56.33,61.35 56.33,62.7 ; 54.47,59.91 62.29,59.91 ; 16.68,81 24.28,81 ; 24.28,81 24.26,81.02 C32.1 25.3,81.92 25.93,82.55 25.93,83.8 ; 12,25 12,26.5 9.88,28.62 9.88,32 ; 70.67,25.01 78.17,25.01 ; 70.67,25.01 70.64,25.04 C112.1 71.1,25.92 71.53,26.35 71.53,27.79 ; 78.17,25.01 85.59,25.01 85.96,25.38 C114.1 86.38,26 86.73,26.35 86.73,27.84 ; 78.17,25.01 78.16,25.02 C113.1 78.6,25.92 79.13,26.45 79.13,27.79 ; 16.71,38.97 16.66,39.02 C85.1 17.88,39.8 18.33,40.25 18.33,41.7 ; 62.07,31.99 54.59,31.99 ; 62.28,73.9 69.78,73.9 ; 62.28,73.9 54.68,73.9 ; 69.78,73.9 69.76,73.92 C42.1 70.88,74.9 71.53,75.55 71.53,76.74 ; 54.59,31.99 54.56,32.02 C100.1 55.68,33 56.33,33.65 56.33,34.82 ; 41.13,48.7 41.13,47.35 40.66,46.88 C78.1 39.59,46.01 39.48,45.9 ; 39.34,66.86 31.82,66.86 ; 39.34,66.86 39.31,66.89 C48.1 40.6,67.82 41.13,68.35 41.13,69.73 ; 86.73,48.7 86.73,47.25 86.38,46.9 C84.1 84.96,46.28 84.58,45.9 77.38,45.9 ; 41.13,34.81 41.13,33.35 40.74,32.96 C98.1 39.38,32 39.39,31.99 ; 54.68,73.9 54.66,73.92 C40.1 55.75,74.87 56.33,75.45 56.33,76.76 ; 9.88,53.8 9.86,53.82 5,53.82 ; 63.93,55.7 63.93,54.35 63.48,53.9 C71.1 62.16,53.02 ; 56.33,41.7 56.33,40.25 55.98,39.9 C90.1 54.56,39.02 54.51,38.97 ; 48.73,41.7 48.73,40.35 48.28,39.9 C89.1 46.96,39.02 47.01,38.97 ; 47.18,81 47.16,81.02 C2.1 48.06,81.98 48.73,82.65 48.73,83.8 ; 47.18,81 54.58,81 ; 39.41,38.97 39.36,39.02 C88.1 40.78,39.9 41.13,40.25 41.13,41.7 ; 39.41,38.97 32.01,38.97 ; 39.41,38.97 47.01,38.97 ; 69.78,81 69.76,81.02 C15.1 71.18,81.9 71.53,82.25 71.53,83.8 ; 63.93,69.7 63.93,68.55 63.25,67.87 C51.1 62.1,66.9 62.14,66.86 ; 16.66,59.88 16.56,59.98 C55.1 17.68,60.8 18.33,61.45 18.33,62.71 ; 54.51,38.97 47.01,38.97 ; 86.73,69.7 86.73,68.45 86.18,67.9 C54.1 84.96,67.38 84.44,66.86 77.42,66.86 ; 31.96,59.88 31.84,60 C57.1 33.03,60.85 33.53,61.35 33.53,62.7 ; 77.42,66.86 77.41,66.87 C53.1 78.68,67.9 79.13,68.35 79.13,69.7 ; 24.09,25.01 24.18,25.1 C106.1 25.45,25.87 25.93,26.35 25.93,27.7 ; 24.09,25.01 31.77,25.01 ; 48.73,93.05 48.68,93 C125.1 ; 48.73,93.05 48.73,94.8 ; 48.73,55.7 48.73,54.35 48.28,53.9 C69.1 46.96,53.02 ; 47.18,45.9 47.06,46.02 C79.1 48.34,46.86 48.73,47.25 48.73,48.73 ; 47.18,45.9 39.48,45.9 ; 47.18,45.9 54.78,45.9 ; 77.38,45.9 77.36,45.92 C83.1 78.68,46.9 79.13,47.35 79.13,48.7 ; 31.68,45.9 39.48,45.9 ; 31.82,66.86 31.77,66.91 C47.1 33.04,67.86 33.53,68.35 33.53,69.72 ; 69.78,52.9 69.76,52.92 C72.1 71.28,53.9 71.53,54.15 71.53,55.7